# KiCad board main.kicad_pcb (continued)
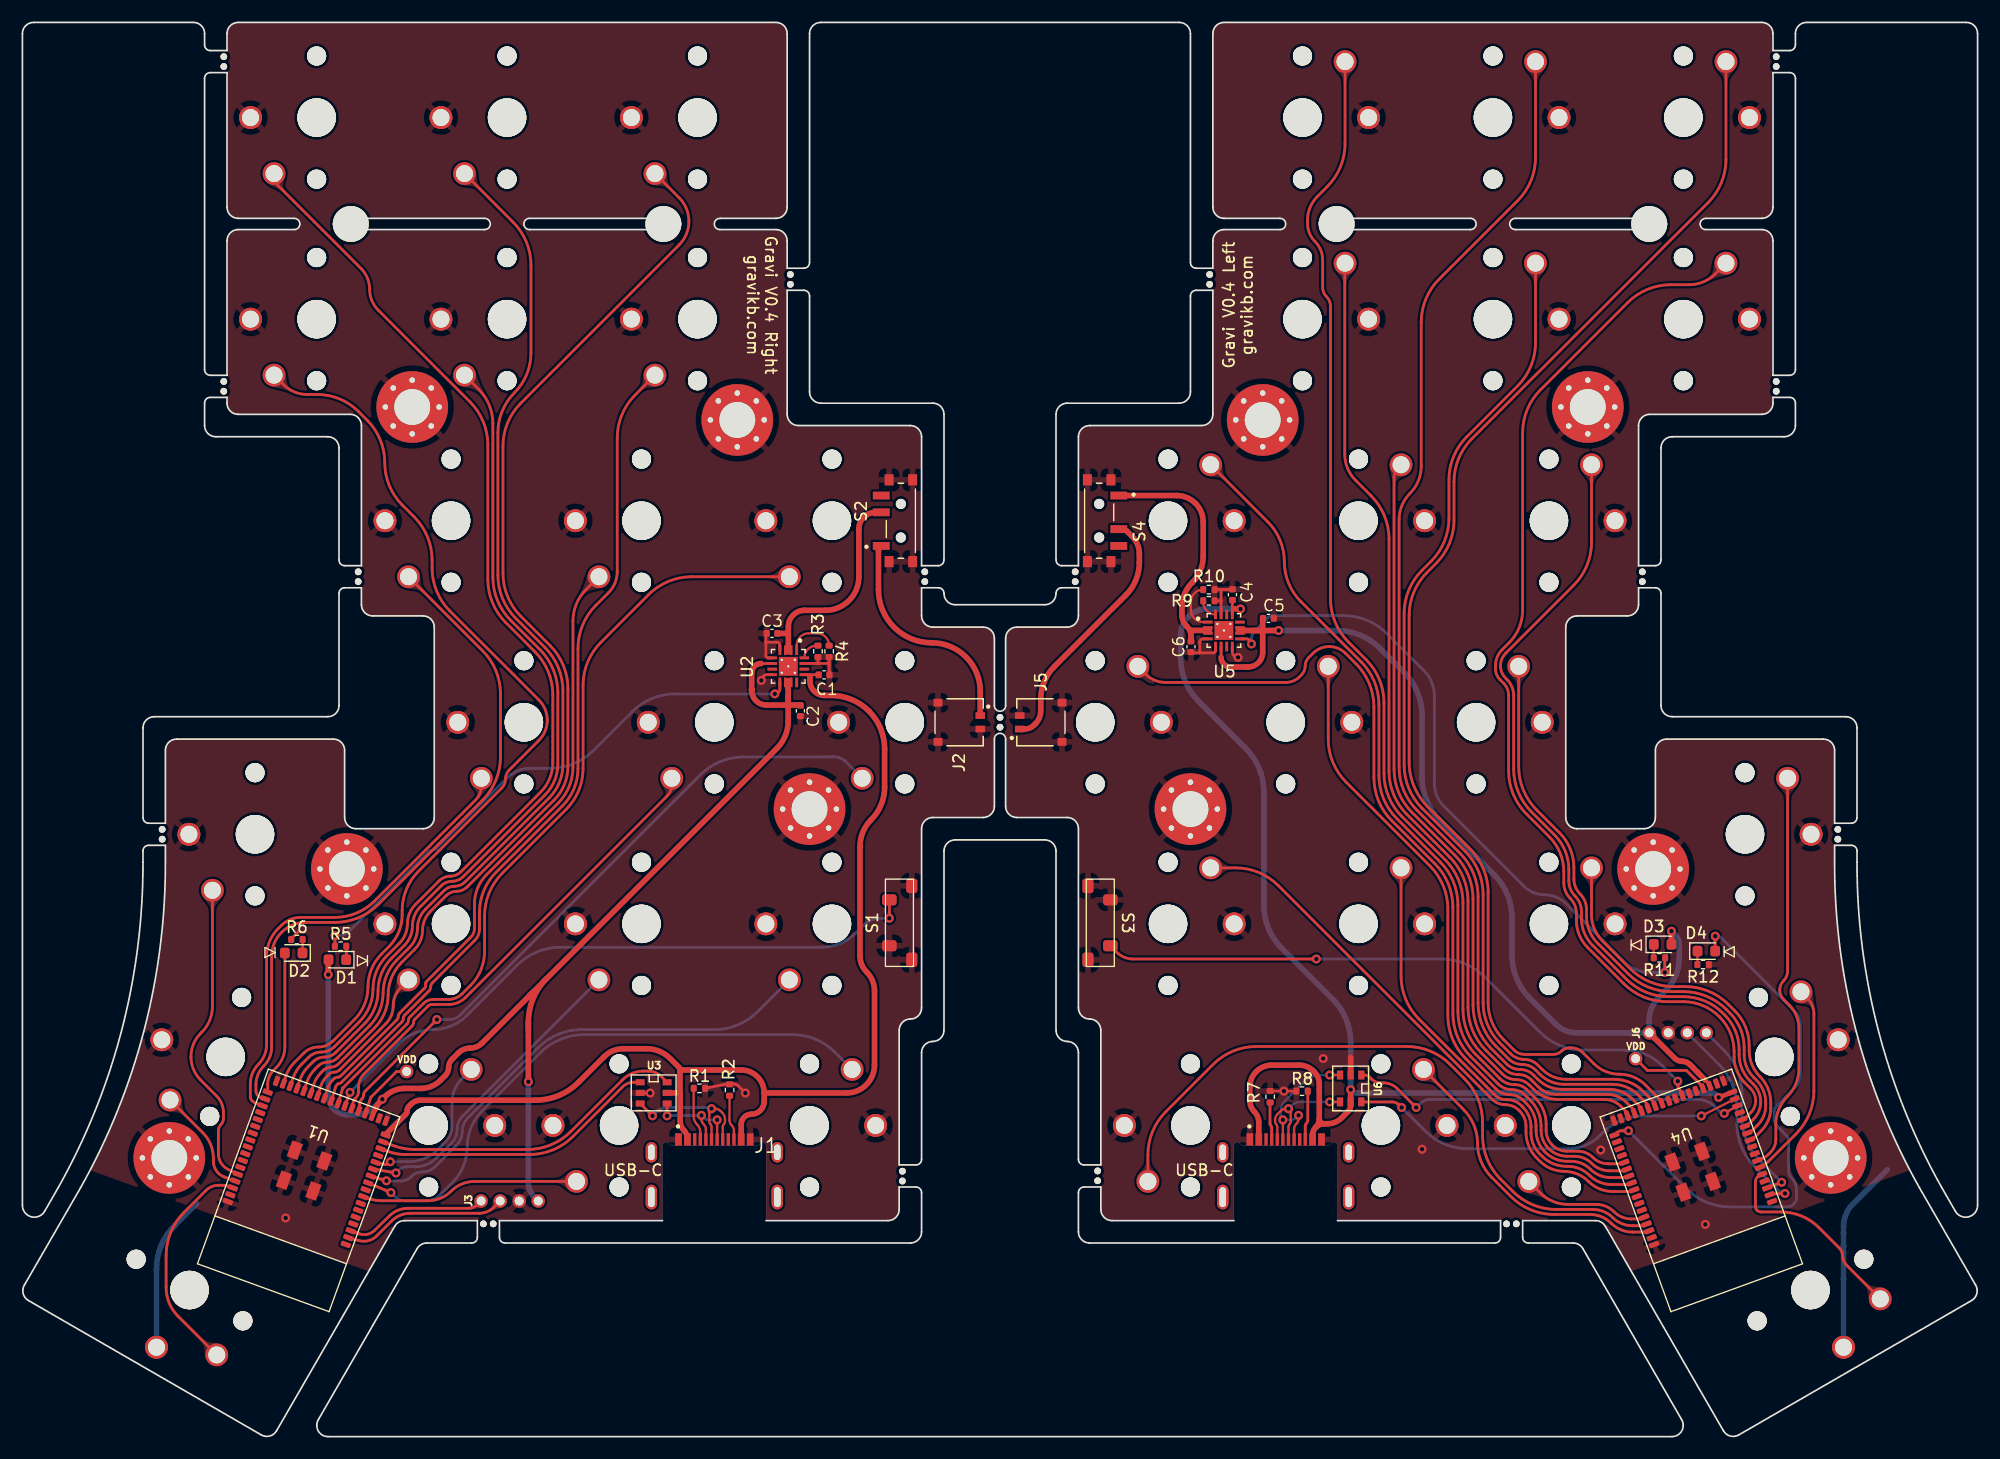
[diagram p0: board, top side]
## Routing (per net, layer and track width the routed paths; a pad name or vN(x,y) marks a point on that pad's centre or on a via; arc(x,y) is an arc through that point) (continued)
  Bottom w0.5: v1(151.41,30.29) 151.21,30.49 arc(150.99,30.64) 150.73,30.69 119.07,30.69 arc(118.88,30.73) 118.71,30.84 v1(118.56,30.99) 118.56,35.21 arc(118.15,37.29) 116.97,39.05 112.41,43.62 arc(111.23,45.38) 110.81,47.46 110.81,57.58 arc(110.4,59.67) 109.22,61.43 104.98,65.67 arc(103.8,67.43) 103.39,69.52 103.39,71.57 arc(103.57,72.46) 104.07,73.22 arc(104.84,73.73) 105.73,73.91 v1(108.74,73.91)
VDDH: length 193.3
  Top w0.25: 45.61,39.73 45.16,39.28 ; 27.32,42.59 27.31,42.57 arc(27.3,42.56) 27.3,42.54 ; 107,69.57 107,70.55 ; 65.95,69.04 66.93,69.04 ; 150.22,31.84 150.57,31.51 arc(150.61,31.45) 150.62,31.38 150.62,31.35 arc(150.61,31.32) 150.59,31.3 ; 31.44,29.14 U1.32
  Top w0.5: 110.7,71.98 108.54,71.98 ; 110.7,71.98 arc(110.71,71.98) 110.71,71.99 ; 110.7,71.98 arc(110.71,71.98) 110.71,71.98 ; C5.2 110.72,73.05 arc(110.71,73.03) 110.71,73.01 110.71,71.99 ; 46.77,40.88 41.01,35.13 arc(40.53,34.81) 39.96,34.69 arc(39.39,34.58) 38.91,34.26 38.35,33.69 arc(38.12,33.36) 38.05,32.97 arc(37.97,32.58) 37.74,32.24 37.32,31.82 arc(36.52,31.28) 35.57,31.09 34.12,31.09 arc(33.17,30.9) 32.37,30.37 v1(32.13,30.12) 32.03,30.03 arc(31.69,29.61) 31.44,29.14 ; 46.77,40.88 67.35,61.46 arc(68.1,62.58) 68.36,63.9 68.36,65.33 ; 46.77,40.88 arc(45.58,39.1) 45.16,37.01 v1(45.16,31.69) ; C2.2 69.43,65.31 arc(69.41,65.32) 69.38,65.33 68.36,65.33 ; v1(112.13,71.98) 110.71,71.98 ; 110.71,71.98 arc(110.71,71.98) 110.71,71.99 ; 110.71,71.98 arc(110.71,71.98) 110.71,71.98 ; 68.36,65.33 arc(68.36,65.33) 68.36,65.33 ; 68.36,65.33 arc(68.36,65.33) 68.36,65.33 ; v1(27.3,41.25) 27.3,42.54 ; 68.36,67.5 68.36,65.33 ; 145.21,36.06 147.48,33.8 arc(147.79,33.59) 148.16,33.51 arc(148.53,33.44) 148.85,33.23 149.06,33.01 arc(149.28,32.8) 149.49,32.58 149.59,32.47 arc(149.9,32.15) 150.22,31.84 ; v1(147.2,45.14) D3.2 ; 68.36,65.33 arc(68.36,65.33) 68.36,65.33 ; 68.36,65.33 arc(68.36,65.33) 68.36,65.33 ; 68.36,65.33 arc(68.35,65.33) 68.35,65.32 66.41,65.32 arc(65.48,65.71) 65.1,66.64 65.1,68.19 arc(65.35,68.79) 65.95,69.04 ; 107,69.57 arc(107.25,68.97) 107.85,68.72 109.4,68.72 arc(110.33,69.11) 110.71,70.03 110.71,71.98 arc(110.71,71.98) 110.71,71.98
  Bottom w0.5: 46.05,21.04 45.7,21.39 arc(45.3,21.98) 45.16,22.69 v1(45.16,31.69) ; v1(27.3,41.25) 27.3,30.46 arc(27.43,29.8) 27.8,29.25 arc(28.35,28.88) 29.01,28.75 29.78,28.75 arc(30.68,28.93) 31.44,29.44 v1(32.13,30.12) ; v1(112.13,71.98) 117.34,71.98 arc(119.42,71.57) 121.19,70.39 123.34,68.23 arc(124.52,66.47) 124.94,64.38 124.94,58.87 arc(125.35,56.78) 126.53,55.02 131.37,50.18 arc(132.55,48.42) 132.96,46.33 132.96,42.99 arc(133.38,40.91) 134.56,39.14 136.87,36.83 arc(137.72,36.26) 138.72,36.06 145.21,36.06 145.21,37.21 arc(145.42,38.27) 146.03,39.18 146.7,39.85 arc(147.59,41.18) 147.9,42.74 147.9,43.94 arc(147.81,44.4) 147.55,44.79 v1(147.2,45.14)
(no net): length 25.8
  Top w0.2: 149.51,43.34 R12.1 ; R6.1 25.01,43.21 arc(25.01,43.2) 25.01,43.19 D2.1 ; 145.61,43.94 R11.1 ; USB-C#2.A5 60.51,27.16 arc(60.43,27.56) 60.21,27.89 arc(59.99,28.22) 59.91,28.61 59.91,30.87 ; USB-C#2.B5 63.51,27.32 arc(63.46,27.58) 63.31,27.8 arc(63.16,28.02) 63.11,28.28 R2.2
  Top w0.25: 111.36,29.78 111.36,27.95 arc(111.38,27.86) 111.44,27.77 arc(111.49,27.69) 111.51,27.59 USB-C.A5 ; USB-C.B5 114.51,27.71 arc(114.54,27.86) 114.62,27.99 arc(114.71,28.11) 114.74,28.26 R8.1 ; 30.7,29.3 U1.31 31.1,30.3 33.4,32.6 VDD#2.1
CHG: length 110.4
  Top w0.2: 28.9,42.59 28.91,42.59 arc(28.91,42.6) 28.91,42.61
  Top w0.25: R5.2 27.9,43.79 arc(27.9,43.8) 27.9,43.8 v1(27.9,44.75) ; 28.94,43.81 28.92,43.8 arc(28.92,43.79) 28.91,43.77 28.91,42.61 arc(28.91,42.6) 28.91,42.59 28.9,42.59 ; 67.61,67.35 67.61,66.78 arc(67.48,66.46) v1(67.16,66.32) ; R11.2 146.62,42.74 arc(146.6,42.72) 146.6,42.7 v1(146.6,41.45) ; 108.68,71.24 109.26,71.24 arc(109.58,71.1) v1(109.71,70.78)
  Bottom w0.25: v1(146.6,41.45) 145.26,41.45 arc(144.03,41.7) 142.98,42.4 137.77,47.61 arc(136.9,48.19) 135.89,48.39 arc(134.87,48.59) 134.01,49.17 126.86,56.31 arc(126.25,57.23) 126.04,58.3 126.04,66.16 arc(125.8,67.36) 125.12,68.38 121.78,71.72 arc(120.02,72.9) 117.93,73.31 111.65,73.31 arc(111.38,73.26) 111.16,73.11 110.02,71.97 arc(109.79,71.63) 109.71,71.22 v1(109.71,70.78) ; v1(67.16,66.32) 58.28,66.32 arc(56.2,65.91) 54.43,64.73 50.98,61.28 arc(49.22,60.1) 47.14,59.69 45.4,59.69 arc(44.21,59.45) 43.2,58.78 36.95,52.52 arc(36.77,52.4) 36.56,52.36 36.51,52.36 arc(36.4,52.34) 36.3,52.28 29.08,45.06 arc(28.74,44.83) 28.34,44.75 v1(27.9,44.75)
D+: length 27
  Top w0.2: USB-C.B6 113.51,27.44 arc(113.56,27.7) 113.71,27.92 arc(113.86,28.14) 113.91,28.4 v1(113.91,28.69) ; 55.25,29.74 55.35,29.74 ; USB-C#2.A6 61.51,27.66 arc(61.49,27.79) 61.41,27.9 arc(61.34,28.01) 61.31,28.14 61.31,28.95 arc(61.34,29.08) 61.41,29.19 v1(61.51,29.29) 61.81,29.29 arc(62.09,29.23) 62.32,29.08 62.47,28.93 arc(62.65,28.66) 62.71,28.34 62.71,28.14 arc(62.69,28.01) 62.61,27.9 arc(62.54,27.79) 62.51,27.66 USB-C#2.B6 ; v1(112.51,28.29) USB-C.A6 ; v1(116.69,32.29) U6.3
  Top w0.25: v1(56.25,28.64) U3.3
  Bottom w0.2: v1(116.69,32.29) 115.85,32.29 arc(115.08,32.13) 114.42,31.7 112.7,29.98 arc(112.41,29.55) 112.31,29.04 112.31,28.63 arc(112.34,28.5) 112.41,28.39 v1(112.51,28.29) 113.23,28.29 arc(113.49,28.34) 113.71,28.49 v1(113.91,28.69)
  Bottom w0.25: v1(56.25,28.64) 56.62,29.01 arc(57.03,29.29) 57.52,29.39 61.34,29.39 arc(61.41,29.37) 61.46,29.34 v1(61.51,29.29) 61.39,29.41
D+ESD: length 61.4
  Top w0.2: v1(151.91,28.86) U4.37
  Top w0.25: 31.98,25.71 32.69,25.45 arc(33.41,25.26) 34.15,25.19 45.28,25.19 arc(47.37,25.61) 49.13,26.79 53.58,31.23 arc(54.03,31.54) 54.57,31.64 U3.1 ; U6.1 119.79,32.29 arc(120.04,32.24) 120.26,32.09 120.41,31.94 arc(120.8,31.68) 121.26,31.59 121.49,31.59 arc(122.16,31.45) 122.73,31.07 v1(124.41,29.39)
  Bottom w0.25: v1(124.41,29.39) 124.78,29.75 arc(125.18,30.02) 125.65,30.11 149.53,30.11 arc(150.34,29.95) 151.04,29.49 151.57,28.95 arc(151.67,28.89) 151.79,28.86 v1(151.91,28.86) 152.14,29.09
D-: length 21.4
  Top w0.2: USB-C.A7 113.01,27.66 arc(113.04,27.79) 113.11,27.9 arc(113.19,28.01) 113.21,28.14 113.21,28.95 arc(113.19,29.08) 113.11,29.19 v1(113.01,29.29) 112.77,29.29 arc(112.54,29.24) 112.35,29.11 112.02,28.78 arc(111.87,28.56) 111.81,28.29 111.81,28.14 arc(111.84,28.01) 111.91,27.9 arc(111.99,27.79) 112.01,27.66 USB-C.B7 ; v1(62.01,28.29) USB-C#2.A7 ; v1(116.69,29.89) U6.4 ; v1(60.61,28.69) 60.61,28.37 arc(60.67,28.11) 60.81,27.89 arc(60.96,27.67) 61.01,27.41 USB-C#2.B7
  Top w0.25: v1(57.55,28.64) U3.4
  Bottom w0.2: v1(113.01,29.29) 113.11,29.19 ; v1(113.01,29.29) 112.71,29.29 ; v1(113.01,29.29) 113.31,29.59 arc(113.64,29.81) 114.04,29.89 v1(116.69,29.89)
  Bottom w0.25: v1(62.01,28.29) 61.3,28.29 arc(61.04,28.34) 60.81,28.49 v1(60.61,28.69) 57.62,28.69 arc(57.59,28.68) 57.57,28.67 v1(57.55,28.64)
D-ESD: length 64.3
  Top w0.2: v1(149.86,28.64) U4.36
  Top w0.25: U6.6 122.26,29.89 arc(122.59,29.82) 122.86,29.64 v1(123.11,29.39) ; U3.6 57.05,32.14 arc(56.49,32.51) 55.84,32.64 55.45,32.64 arc(54.43,32.44) 53.57,31.86 48.94,27.24 arc(47.18,26.06) 45.1,25.64 35.03,25.64 arc(34.06,25.73) 33.12,25.98 32.2,26.32
  Bottom w0.25: v1(123.11,29.39) 125.21,27.29 arc(126.97,26.11) 129.06,25.7 137.99,25.7 arc(139.5,26) 140.78,26.86 141.09,27.17 arc(142.72,28.26) 144.64,28.64 v1(149.86,28.64)
K1: length 210.9
  Top w0.25: 25.74,30.64 25.99,31.4 arc(26.26,32) 26.67,32.52 26.87,32.72 arc(27.17,32.92) 27.54,32.99 arc(27.9,33.06) 28.2,33.27 31.43,36.5 arc(32.33,37.84) 32.65,39.43 arc(32.96,41.01) 33.86,42.36 35.01,43.51 arc(35.53,44.29) 35.71,45.2 arc(35.9,46.12) 36.42,46.89 37.83,48.31 arc(38.26,48.59) 38.76,48.69 arc(39.27,48.79) 39.69,49.08 47.46,56.84 arc(48.37,58.21) 48.69,59.83 48.69,66.8 arc(48.28,68.88) 47.1,70.65 44.49,73.26 arc(43.31,75.02) 42.9,77.1 42.9,88.44 arc(43.31,90.52) 44.49,92.29 58.62,106.42 arc(59.27,107.39) 59.5,108.52 arc(59.27,109.66) 58.62,110.63 SW1.1 ; SW22.1 118.06,115.47 arc(117.65,113.38) 116.47,111.62 115.59,110.74 arc(114.94,109.77) 114.71,108.62 114.71,108.34 arc(114.89,107.46) 115.39,106.71 arc(115.89,105.96) 116.06,105.08 116.06,102.63 arc(116.15,102.18) 116.41,101.79 arc(116.67,101.4) 116.76,100.94 116.76,74.81 arc(117.18,72.73) 118.36,70.97 119.94,69.38 arc(121.12,67.61) 121.54,65.53 121.54,59.22 arc(121.95,57.14) 123.13,55.38 126.99,51.51 arc(128.17,49.75) 128.59,47.67 128.59,38.16 arc(129,36.07) 130.18,34.31 132.1,32.39 arc(132.66,32.02) 133.31,31.89 arc(133.96,31.76) 134.52,31.39 134.9,31 arc(135.89,30.34) 137.04,30.11 141.19,30.11 arc(142,29.95) 142.68,29.5 143.2,28.97 arc(143.27,28.88) 143.29,28.76 U4.20
K2: length 165.4
  Top w0.25: SW2.1 54.69,93.01 arc(53.51,91.25) 53.1,89.17 53.1,77.23 arc(52.9,76.23) 52.33,75.38 51.19,74.23 arc(50.01,72.47) 49.59,70.39 49.59,59.66 arc(49.23,57.85) 48.21,56.33 42.28,50.39 arc(41.18,48.76) 40.8,46.83 40.8,45.33 arc(40.69,44.78) 40.38,44.31 36.59,40.53 arc(36.48,40.36) 36.44,40.17 arc(36.41,39.97) 36.3,39.81 34.12,37.64 arc(34.03,37.5) 34,37.33 arc(33.97,37.17) 33.87,37.03 28.45,31.61 arc(28.38,31.56) 28.29,31.54 arc(28.2,31.53) 28.13,31.48 28.1,31.44 arc(28.01,31.33) 27.95,31.21 U1.26 ; SW23.1 118.05,104.77 arc(118.04,104.76) 118.04,104.74 118.04,87.71 arc(118.29,86.47) 118.99,85.41 120.39,84.01 arc(121.57,82.24) 121.99,80.16 121.99,59.41 arc(122.4,57.33) 123.58,55.56 127.42,51.72 arc(128.62,49.93) 129.04,47.82 129.04,38.34 arc(129.45,36.26) 130.63,34.5 132.29,32.83 arc(132.84,32.46) 133.5,32.33 133.54,32.33 arc(134.15,32.21) 134.67,31.87 135.3,31.24 arc(136.05,30.74) 136.94,30.56 141.45,30.56 arc(142.39,30.38) 143.18,29.84 143.81,29.22 arc(143.88,29.11) 143.9,28.99 U4.21
K3: length 158
  Top w0.2: 105.4,74.64 105.4,74.52 arc(105.72,73.74) 106.5,73.42 ; 69.11,70.22 69.11,70.65 arc(69.43,71.42) 70.2,71.74 70.91,71.74 arc(71.69,71.41) 72.01,70.63 ; 71.01,70.63 70.89,70.63 arc(70.12,70.31) 69.8,69.54
  Top w0.25: SW24.1 111.17,81.68 arc(112.26,80.05) 112.64,78.12 arc(113.03,76.2) 114.12,74.57 119.49,69.19 arc(120.67,67.43) 121.09,65.34 121.09,59.04 arc(121.5,56.96) 122.68,55.19 126.54,51.33 arc(127.72,49.56) 128.14,47.48 128.14,37.97 arc(128.55,35.89) 129.73,34.12 131.9,31.95 arc(132.47,31.57) 133.15,31.44 133.2,31.44 arc(133.78,31.32) 134.28,30.99 135.06,30.2 arc(135.76,29.16) 136.01,27.92 136.01,27.36 arc(136.15,26.64) 136.56,26.03 arc(137.17,25.63) 137.88,25.49 138.84,25.49 arc(139.57,25.34) 140.19,24.92 arc(140.82,24.51) 141.55,24.36 142.78,24.36 arc(142.86,24.38) 142.93,24.43 U4.13 ; U1.27 28.59,31.13 arc(28.6,31.14) 28.61,31.14 arc(28.62,31.15) 28.63,31.15 34.32,36.85 arc(34.42,36.98) 34.45,37.15 arc(34.48,37.31) 34.57,37.45 35.82,38.69 arc(36.2,38.95) 36.66,39.04 38.04,39.04 arc(38.7,39.17) 39.26,39.55 40,40.29 arc(40.93,41.68) 41.25,43.31 41.25,46.47 arc(41.66,48.56) 42.84,50.32 48.54,56.02 arc(49.65,57.69) 50.05,59.65 50.05,67.08 arc(50.46,69.17) 51.64,70.93 55.9,75.19 arc(57.67,76.37) 59.75,76.79 SW3.1
K4: length 138.7
  Top w0.25: SW25.1 100.28,68.07 arc(101.08,67.54) 102.02,67.35 112.79,67.35 arc(113.45,67.48) 114,67.85 114.18,68.03 arc(114.42,68.38) 114.5,68.8 arc(114.58,69.22) 114.82,69.57 115.2,69.95 arc(115.86,70.39) 116.65,70.55 arc(117.44,70.39) 118.1,69.95 119.04,69.01 arc(120.22,67.24) 120.64,65.16 120.64,58.85 arc(121.05,56.77) 122.23,55 126.09,51.14 arc(127.27,49.38) 127.69,47.29 127.69,37.78 arc(128.1,35.7) 129.28,33.94 131.73,31.49 arc(132.29,31.12) 132.94,30.99 arc(133.59,30.86) 134.15,30.49 134.62,30.02 arc(135.32,28.97) 135.56,27.73 135.56,27.36 arc(135.74,26.47) 136.24,25.72 arc(136.99,25.21) 137.88,25.04 138.53,25.04 arc(139.38,24.87) 140.1,24.39 arc(140.81,23.91) 141.66,23.74 142.98,23.74 arc(143.07,23.76) 143.14,23.81 U4.12 ; v1(37,37.24) 36.99,37.24 arc(36.99,37.24) 36.99,37.24 30.6,30.85 arc(30.49,30.68) 30.45,30.49 arc(30.41,30.3) 30.3,30.14 30.27,30.11 arc(30.15,29.92) 30.1,29.69 30.1,29.23 arc(30.09,29.18) 30.06,29.13 U1.30
  Bottom w0.25: SW4.1 73.45,60.3 arc(73.01,60.59) 72.5,60.69 64.37,60.69 arc(62.29,60.28) 60.52,59.1 39.87,38.44 39.04,37.61 arc(38.63,37.34) 38.14,37.24 v1(37,37.24)
K5: length 95.3
  Top w0.25: U4.9 143.8,21.97 arc(143.72,21.91) 143.61,21.89 141.96,21.89 arc(140.78,22.12) 139.79,22.79 139.78,22.79 arc(138.79,23.46) 137.62,23.69 arc(136.46,23.92) 135.47,24.58 135.16,24.89 arc(134.46,25.94) 134.21,27.17 134.21,27.72 arc(134.07,28.45) 133.65,29.07 133.59,29.14 arc(133.03,29.51) 132.38,29.64 arc(131.73,29.77) 131.17,30.14 112.1,49.21 arc(110.35,50.38) 108.29,50.79 SW26.1 ; v1(32.5,22.84) 31.09,23.27
  Bottom w0.25: v1(32.5,22.84) 32.51,22.83 arc(32.52,22.82) 32.54,22.82 33.74,22.82 arc(34.28,22.93) 34.73,23.23 arc(35.19,23.54) 35.73,23.64 35.76,23.64 arc(36.32,23.76) 36.8,24.08 38.75,26.03 arc(39.12,26.58) 39.25,27.23 arc(39.38,27.89) 39.75,28.44 46.06,34.75 arc(47.83,35.93) 49.91,36.34 61.76,36.34 arc(63.85,36.76) 65.61,37.94 SW5.1
K6: length 113
  Top w0.25: SW27.1 100.46,25.16 arc(100.88,27.24) 102.06,29.01 106.29,33.24 arc(108.06,34.42) 110.14,34.84 123.58,34.84 arc(125.67,34.42) 127.43,33.24 128.74,31.93 arc(129.92,30.17) 130.34,28.08 130.34,26.85 arc(130.75,24.77) 131.93,23 133.05,21.88 arc(134.82,20.7) 136.9,20.29 140.19,20.29 arc(141.15,20.1) 141.95,19.56 arc(142.76,19.02) 143.71,18.83 144.72,18.83 arc(144.82,18.85) 144.91,18.91 U4.4 ; v1(32.9,21.79) 30.87,22.66
  Bottom w0.25: v1(32.9,21.79) 33.26,21.43 arc(33.67,21.16) 34.14,21.06 36.05,21.06 arc(36.71,21.2) 37.28,21.57 38.37,22.66 arc(39.35,24.14) 39.7,25.87 arc(40.05,27.61) 41.03,29.08 46.25,34.3 arc(48.01,35.48) 50.09,35.89 68.76,35.89 arc(70.79,35.49) 72.51,34.34 SW6.1
K7: length 207.3
  Top w0.25: SW28.1 135.06,114.22 arc(134.65,112.13) 133.47,110.37 126.46,103.36 arc(125.28,101.59) 124.86,99.51 124.86,86.64 arc(124.61,85.35) 123.87,84.25 arc(123.14,83.16) 122.89,81.86 122.89,59.78 arc(123.3,57.7) 124.48,55.94 128.34,52.07 arc(129.52,50.31) 129.94,48.23 129.94,38.72 arc(130.35,36.63) 131.53,34.87 132.66,33.73 arc(133.22,33.36) 133.87,33.23 arc(134.52,33.1) 135.08,32.73 135.46,32.35 arc(136.45,31.69) 137.6,31.46 141.95,31.46 arc(143.16,31.22) 144.19,30.53 145.02,29.71 arc(145.1,29.59) 145.12,29.45 U4.23 ; SW7.1 43.8,108.45 arc(44.98,106.68) 45.4,104.6 45.4,96.77 arc(45.01,94.85) 43.92,93.21 arc(42.83,91.58) 42.45,89.65 42.45,76.92 arc(42.86,74.84) 44.04,73.07 46.65,70.46 arc(47.83,68.69) 48.24,66.61 48.24,60 arc(47.92,58.4) 47.01,57.04 39.51,49.53 arc(39.08,49.24) 38.58,49.14 arc(38.07,49.04) 37.64,48.76 35.97,47.08 arc(35.45,46.3) 35.26,45.39 arc(35.08,44.47) 34.56,43.7 33.41,42.54 arc(32.51,41.2) 32.2,39.61 arc(31.88,38.03) 30.98,36.68 28.09,33.79 arc(27.7,33.53) 27.24,33.44 arc(26.78,33.35) 26.39,33.09 26.13,32.82 arc(25.67,32.25) 25.36,31.58 25.13,30.86
K8: length 168.7
  Top w0.25: SW29.1 135.06,97.68 arc(134.65,95.59) 133.47,93.83 128.93,89.29 arc(127.75,87.53) 127.34,85.44 127.34,82.02 arc(126.92,79.93) 125.74,78.17 124.93,77.35 arc(123.75,75.59) 123.33,73.51 123.33,59.97 arc(123.75,57.89) 124.93,56.12 128.79,52.26 arc(129.97,50.49) 130.38,48.41 130.38,38.74 arc(130.77,36.81) 131.87,35.17 132.85,34.18 arc(133.4,33.81) 134.06,33.68 arc(134.71,33.55) 135.26,33.18 135.65,32.8 arc(136.63,32.14) 137.79,31.91 142.07,31.91 arc(143.47,31.63) 144.66,30.84 145.65,29.85 arc(145.71,29.76) 145.73,29.65 U4.24 ; 24.51,31.08 24.75,31.79 arc(25.05,32.46) 25.51,33.04 25.94,33.47 arc(26.41,33.78) 26.96,33.89 arc(27.51,34) 27.98,34.31 30.53,36.87 arc(31.43,38.21) 31.75,39.8 arc(32.06,41.38) 32.96,42.73 34.1,43.87 arc(34.63,44.66) 34.82,45.6 arc(35,46.54) 35.53,47.33 37.39,49.19 arc(37.84,49.49) 38.37,49.59 arc(38.89,49.7) 39.34,50 46.65,57.31 arc(47.5,58.57) 47.79,60.07 47.79,66.42 arc(47.38,68.51) 46.2,70.27 43.59,72.89 arc(42.41,74.65) 41.99,76.73 41.99,90.46 arc(41.67,92.12) 40.73,93.52 SW8.1
K9: length 126.8
  Top w0.25: SW30.1 122.75,86.47 arc(122.52,86.13) 122.44,85.72 122.44,59.6 arc(122.85,57.51) 124.03,55.75 127.89,51.89 arc(129.07,50.12) 129.49,48.04 129.49,38.53 arc(129.9,36.45) 131.08,34.68 132.48,33.28 arc(133.03,32.91) 133.68,32.78 arc(134.34,32.65) 134.89,32.28 135.28,31.9 arc(136.26,31.24) 137.42,31.01 141.65,31.01 arc(142.75,30.79) 143.68,30.17 144.42,29.43 arc(144.49,29.33) 144.51,29.21 U4.22 ; SW9.1 50.3,75.63 arc(49.44,74.34) 49.14,72.83 49.14,59.78 arc(48.8,58.04) 47.81,56.56 42.52,51.27 41.43,50.18 arc(40.63,48.98) 40.35,47.57 40.35,45.36 arc(40.27,44.96) 40.04,44.61 36.06,40.63 arc(36.01,40.56) 36,40.48 36,40.27 arc(35.97,40.15) 35.91,40.05 33.67,37.82 arc(33.58,37.68) 33.55,37.52 arc(33.52,37.36) 33.42,37.22 28.42,32.22 arc(28.28,32.12) 28.12,32.09 arc(27.96,32.06) 27.82,31.97 27.67,31.82 arc(27.43,31.52) 27.28,31.17 U1.25
K10: length 101.8
  Top w0.25: SW31.1 116.56,62.29 arc(116.98,60.21) 118.16,58.44 125.64,50.96 arc(126.82,49.19) 127.24,47.11 127.24,37.6 arc(127.65,35.52) 128.83,33.75 131.55,31.04 arc(132.1,30.67) 132.75,30.54 arc(133.41,30.41) 133.96,30.04 134.29,29.71 arc(134.9,28.8) 135.11,27.72 135.11,27.36 arc(135.32,26.3) 135.92,25.4 arc(136.82,24.8) 137.88,24.59 138.24,24.59 arc(139.18,24.4) 139.98,23.86 arc(140.79,23.33) 141.73,23.14 143.22,23.14 arc(143.3,23.15) 143.37,23.2 U4.11 ; SW10.1 57.96,58.2 arc(57.86,57.66) 57.55,57.21 40.17,39.82 39.55,39.21 arc(38.87,38.75) 38.07,38.59 36.55,38.59 arc(36.37,38.56) 36.21,38.45 35.03,37.27 arc(34.94,37.13) 34.9,36.97 arc(34.87,36.8) 34.78,36.67 30.5,32.39 arc(30.13,31.83) 30,31.18 30,30.83 arc(29.94,30.5) 29.75,30.22 29.7,30.17 arc(29.55,29.95) 29.5,29.69 29.5,29.48 arc(29.49,29.41) 29.45,29.36 U1.29
K11: length 67.8
  Top w0.25: SW32.1 123.06,41.14 arc(123.48,39.06) 124.66,37.29 131.45,30.49 arc(131.9,30.19) 132.43,30.09 132.54,30.09 arc(133.22,29.95) 133.79,29.57 133.93,29.43 arc(134.47,28.62) 134.66,27.67 134.66,27.11 arc(134.86,26.11) 135.43,25.26 135.66,25.03 arc(136.64,24.37) 137.81,24.14 137.92,24.14 arc(138.99,23.93) 139.89,23.32 arc(140.79,22.72) 141.85,22.51 143.41,22.51 arc(143.51,22.53) 143.59,22.58 U4.10 ; v1(33.35,23.54) 31.29,23.9
  Bottom w0.25: SW11.1 39.3,28.63 arc(38.93,28.07) 38.8,27.42 arc(38.67,26.77) 38.3,26.21 36.99,24.9 arc(36.09,24.3) 35.04,24.09 34.28,24.09 arc(33.92,24.02) 33.62,23.82 v1(33.35,23.54)
K12: length 47
  Top w0.25: SW33.1 128.63,29.22 arc(129.56,27.83) 129.89,26.19 arc(130.21,24.55) 131.14,23.16 132.87,21.43 arc(134.63,20.25) 136.72,19.84 139.92,19.84 arc(140.95,19.63) 141.82,19.05 arc(142.7,18.47) 143.73,18.26 145.01,18.26 arc(145.09,18.28) 145.16,18.32 U4.3 ; SW12.1 40.36,22.79 arc(39.23,22.56) 38.28,21.92 arc(37.32,21.29) 36.19,21.06 32.04,21.06 arc(31.48,21.11) 30.95,21.25 30.42,21.43
K13: length 218.4
  Top w0.25: U4.25 146.34,29.84 arc(146.33,29.92) 146.28,29.99 144.87,31.41 arc(143.81,32.11) 142.56,32.36 arc(141.32,32.61) 140.26,33.31 139.29,34.29 arc(138.82,34.6) 138.26,34.71 138.07,34.71 arc(137.69,34.64) 137.37,34.42 arc(137.05,34.21) 136.67,34.13 134.06,34.13 arc(133.58,34.23) 133.16,34.5 132.18,35.48 arc(131.19,36.98) 130.83,38.74 130.83,48.6 arc(130.42,50.68) 129.24,52.45 125.44,56.24 arc(124.22,58.08) 123.78,60.25 123.78,73.32 arc(124.2,75.4) 125.38,77.17 126.19,77.98 arc(127.37,79.75) 127.79,81.83 127.79,85.26 arc(128.2,87.34) 129.38,89.11 150.47,110.19 arc(151.65,111.96) 152.06,114.04 SW34.1 ; 23.91,31.28 24.15,31.99 arc(24.45,32.66) 24.91,33.24 25.53,33.86 arc(26.06,34.22) 26.69,34.34 arc(27.32,34.47) 27.85,34.82 30.08,37.05 arc(30.98,38.4) 31.3,39.98 arc(31.61,41.57) 32.51,42.91 33.65,44.05 arc(34.18,44.85) 34.37,45.79 arc(34.55,46.72) 35.08,47.52 37.2,49.64 arc(37.65,49.94) 38.18,50.04 arc(38.71,50.15) 39.15,50.45 46.25,57.54 arc(47.06,58.76) 47.35,60.19 47.35,66.24 arc(46.93,68.32) 45.75,70.09 43.14,72.7 arc(41.96,74.46) 41.55,76.55 41.55,88.56 arc(41.13,90.64) 39.95,92.4 31.77,100.59 arc(31.2,101.44) 31,102.45 arc(30.79,103.46) 30.22,104.31 22.71,111.82 arc(22.53,112.1) 22.46,112.43 SW13.1
K14: length 182.9
  Top w0.25: U4.39 153.59,28.32 arc(153.66,28.33) 153.72,28.37 154.27,28.92 arc(154.6,29.41) 154.71,30 arc(154.6,30.58) 154.27,31.08 153.75,31.59 arc(153.04,32.66) 152.79,33.92 152.79,34.37 arc(152.46,36.04) 151.51,37.46 151.46,37.51 arc(149.99,38.49) 148.25,38.84 146.81,38.84 arc(144.73,39.25) 142.96,40.43 139.72,43.68 arc(138.97,44.79) 138.71,46.1 138.71,46.72 arc(138.57,47.45) 138.15,48.08 arc(137.73,48.7) 137.59,49.44 137.59,50.45 arc(137.26,52.13) 136.31,53.55 134.26,55.6 arc(133.08,57.36) 132.66,59.44 132.66,66.18 arc(132.54,66.78) 132.21,67.28 131.88,67.61 arc(131.59,68.04) 131.49,68.56 131.49,68.84 arc(131.64,69.61) 132.08,70.26 132.7,70.89 arc(133.6,72.23) 133.91,73.81 133.91,89.63 arc(134.33,91.72) 135.51,93.48 143.29,101.27 arc(145.06,102.45) 147.14,102.86 148.78,102.86 arc(150.03,103.11) 151.1,103.82 SW35.1 ; SW14.1 23.33,93.92 arc(24.28,93.29) 25.41,93.06 26.33,93.06 arc(28.31,92.67) 29.99,91.55 30.77,90.76 arc(31.94,89.02) 32.35,86.97 arc(32.75,84.92) 33.92,83.18 34.98,82.12 arc(36.15,80.36) 36.57,78.27 36.57,77.57 arc(36.98,75.49) 38.16,73.72 46.1,65.78 arc(46.66,64.95) 46.85,63.98 arc(46.66,63) 46.1,62.18 43.46,59.53 arc(43.21,59.16) 43.12,58.72 arc(43.04,58.29) 42.79,57.92 35.34,50.47 arc(34.27,48.87) 33.9,46.98 33.9,46.58 arc(33.6,45.06) 32.73,43.77 32.06,43.1 arc(31.16,41.76) 30.85,40.17 arc(30.53,38.59) 29.63,37.24 27.72,35.33 arc(27.12,34.93) 26.42,34.79 arc(25.72,34.65) 25.13,34.25 24.26,33.39 arc(23.8,32.81) 23.5,32.14 23.26,31.43
K15: length 135.8
  Top w0.25: SW36.1 140.06,79.87 arc(139.65,77.78) 138.47,76.02 132.4,69.95 arc(132.06,69.44) 131.94,68.84 arc(132.06,68.24) 132.4,67.73 132.53,67.6 arc(132.96,66.95) 133.11,66.18 133.11,59.63 arc(133.53,57.55) 134.71,55.78 136.76,53.73 arc(137.7,52.31) 138.04,50.64 138.04,49.62 arc(138.18,48.89) 138.6,48.26 arc(139.02,47.64) 139.16,46.91 139.16,46.28 arc(139.42,44.97) 140.17,43.86 143.19,40.84 arc(144.91,39.69) 146.93,39.29 148.25,39.29 arc(150.16,38.91) 151.78,37.83 151.96,37.65 arc(152.91,36.23) 153.24,34.55 153.24,34.1 arc(153.49,32.84) 154.2,31.78 154.52,31.46 arc(155,30.75) 155.16,29.9 155.16,29.89 arc(155,29.06) 154.52,28.35 153.93,27.76 arc(153.88,27.72) 153.81,27.71 U4.40 ; SW15.1 41.08,70.17 arc(42.26,68.4) 42.67,66.32 42.67,60.69 arc(42.26,58.61) 41.08,56.84 31.75,47.51 arc(29.98,46.33) 27.9,45.92 25.28,45.92 arc(24.12,45.69) 23.13,45.03 arc(22.48,44.05) 22.25,42.89 22.25,34.78 arc(22.06,33.87) 21.55,33.09 21.53,33.08 arc(21.02,32.32) 20.85,31.42 20.85,30.88 arc(20.96,30.52) 21.26,30.3 21.67,30.15
K16: length 94.4
  Top w0.25: U4.41 154.07,27.1 arc(154.16,27.12) 154.25,27.17 154.89,27.82 arc(155.43,28.62) 155.61,29.56 155.61,29.83 arc(155.4,30.91) 154.78,31.83 154.53,32.08 arc(153.91,33.02) 153.69,34.12 153.69,34.74 arc(153.35,36.41) 152.41,37.83 152.09,38.14 arc(150.33,39.32) 148.25,39.74 147.18,39.74 arc(145.1,40.15) 143.33,41.33 140.62,44.05 arc(139.87,45.16) 139.61,46.47 139.61,47.09 arc(139.47,47.83) 139.05,48.45 arc(138.63,49.07) 138.49,49.81 138.49,50.83 arc(138.15,52.5) 137.21,53.92 135.16,55.97 arc(133.98,57.73) 133.56,59.82 SW37.1 ; SW16.1 40.96,58.07 arc(40.83,57.41) 40.46,56.86 31.42,47.82 arc(29.81,46.74) 27.92,46.37 24.85,46.37 arc(23.91,46.18) 23.11,45.65 22.82,45.35 arc(22.06,44.22) 21.8,42.89 21.8,35 arc(21.61,34.06) 21.07,33.25 arc(20.53,32.45) 20.35,31.5 20.35,30.35 arc(20.38,30.16) 20.5,29.99 arc(20.66,29.86) 20.84,29.77 21.45,29.54
K17: length 48.1
  Top w0.25: U4.42 154.29,26.49 arc(154.38,26.51) 154.46,26.56 155.22,27.32 arc(155.85,28.25) 156.06,29.35 156.06,29.83 arc(155.81,31.08) 155.1,32.15 arc(154.39,33.22) 154.14,34.47 154.14,34.92 arc(153.8,36.6) 152.86,38.02 152.28,38.59 arc(150.52,39.77) 148.43,40.19 147.37,40.19 arc(145.28,40.6) 143.52,41.78 141.03,44.27 arc(140.31,45.34) 140.06,46.61 SW38.1 ; U1.24 26.63,31.29 arc(26.85,31.76) 27.17,32.17 27.34,32.34 arc(27.57,32.49) 27.83,32.54 arc(28.09,32.59) 28.31,32.74 32.43,36.86 arc(32.93,37.6) 33.1,38.48 arc(33.27,39.35) 33.77,40.1 SW17.1 arc(34.24,40.94) 33.98,40.99
K18: length 25.5
  Top w0.25: v1(32.85,24.54) 32.7,24.4 arc(32.58,24.32) 32.45,24.29 arc(32.3,24.3) 32.15,24.33 31.53,24.49 ; SW39.1 135.49,21.76 arc(136.62,21) 137.96,20.74 140.49,20.74 arc(141.34,20.57) 142.06,20.09 arc(142.78,19.61) 143.63,19.44 144.49,19.44 arc(144.6,19.46) 144.69,19.52 U4.5
  Bottom w0.25: v1(32.85,24.54) 34.42,24.54 arc(35.88,24.83) 37.11,25.66 37.75,26.3 arc(38.2,26.96) 38.35,27.75 38.35,29.87 arc(38.57,30.98) 39.21,31.93 SW18.1
K19: length 64.1
  Top w0.25: 19.23,23.43 18.36,23.86 arc(17.73,24.44) 17.49,25.26 17.49,27.32 arc(17.55,27.61) 17.72,27.86 arc(17.89,28.11) 17.94,28.41 17.94,28.95 arc(17.79,29.74) 17.34,30.42 15.91,31.85 arc(15.27,32.8) 15.05,33.92 arc(15.27,35.05) 15.91,36 16,36.1 arc(16.71,37.16) 16.96,38.42 SW19.1 ; SW40.1 157.56,41.56 arc(157.47,41.1) 157.21,40.71 157.21,40.71 arc(156.95,40.33) 156.86,39.87 arc(156.95,39.42) 157.21,39.04 157.72,38.53 arc(158.36,37.58) 158.58,36.46 158.58,32.86 arc(158.31,31.51) 157.55,30.37 arc(156.78,29.23) 156.51,27.88 156.51,26.53 arc(156.39,25.91) 156.04,25.39 155.85,25.2 arc(155.55,24.96) 155.21,24.79 U4.45
K20: length 27.7
  Top w0.25: 19.01,22.82 18.03,23.18 arc(17.31,23.73) 17.05,24.59 17.05,24.87 arc(16.8,26.09) 16.11,27.13 SW20.1 ; SW41.1 159.34,39.14 arc(159.76,38.5) 159.91,37.75 159.91,30.88 arc(159.5,28.8) 158.32,27.03 155.88,24.59 arc(155.63,24.38) 155.36,24.2 U4.46
K21: length 38.3
  Top w0.25: 18.78,22.21 18.46,22.33 arc(18.14,22.41) 17.81,22.44 17.5,22.44 arc(16.89,22.32) 16.39,21.98 14.42,20.02 arc(13.24,18.25) 12.83,16.17 12.83,13.32 arc(13.1,11.93) 13.89,10.76 SW21.1 ; SW42.1 162.8,15.33 arc(162.57,15.68) 162.49,16.09 arc(162.41,16.5) 162.17,16.85 160.37,18.66 arc(158.81,19.7) 156.97,20.06 155.2,20.06 arc(155,20.1) 154.84,20.21 arc(154.73,20.38) 154.69,20.57 154.69,22.72 arc(154.74,22.99) 154.9,23.22 155.04,23.37 arc(155.12,23.42) 155.2,23.43 U4.47
RST: length 120.2
  Top w0.25: v1(115.5,42.65) 99.13,42.65 arc(98.36,42.8) 97.7,43.24 S3.2 ; v1(147.76,31.74) 147.76,31.42 arc(147.82,31.15) 147.97,30.92 148.07,30.82 arc(148.15,30.7) 148.18,30.57 U4.28 ; 150.01,31.09 150.01,31.23 148.54,32.7 145.05,32.7 144,33.75 ; v1(29.25,30.74) 28.79,29.53 ; S1.2 77.39,46.3 arc(77.39,46.29) 77.38,46.29 v1(77.38,46.29)
  Bottom w0.25: v1(147.76,31.74) 146.37,33.13 arc(144.84,34.15) 143.02,34.51 139.32,34.51 arc(137.23,34.93) 135.47,36.11 130.52,41.06 arc(128.75,42.24) 126.67,42.65 v1(115.5,42.65) ; v1(77.38,46.29) 76.55,46.29 arc(75.78,46.13) 75.13,45.7 74.42,44.99 arc(72.99,44.03) 71.3,43.7 48.01,43.7 arc(45.93,43.28) 44.16,42.1 39.66,37.6 arc(38.27,36.67) 36.62,36.34 arc(34.98,36.02) 33.59,35.08 v1(29.25,30.74)
STATUS: length 61.8
  Top w0.25: U4.17 142.29,27.12 arc(142.5,27.26) 142.75,27.31 v1(143.36,27.31) ; v1(151.11,44.69) 151.11,44.68 arc(151.1,44.67) 151.1,44.67 D4.2 ; 21.9,30.76 21.9,31.48 arc(22.03,32.14) 22.4,32.7 22.66,32.96 arc(23.23,33.8) 23.42,34.8 D2.2
  Bottom w0.25: v1(151.11,44.69) 151.3,44.69 arc(151.47,44.65) 151.62,44.55 158.24,37.94 arc(158.59,37.41) 158.71,36.79 158.71,32.37 arc(158.58,31.72) 158.21,31.16 156.57,29.52 arc(156.42,29.29) 156.36,29.02 156.36,28.39 arc(156.44,28.02) 156.65,27.7 157.45,26.9 arc(157.61,26.66) 157.66,26.39 157.66,23.66 arc(157.71,23.41) 157.86,23.19 arc(158.23,22.63) 158.36,21.97 158.36,21.37 arc(158.3,21.04) 158.11,20.76 arc(157.84,20.58) 157.51,20.51 152.42,20.51 arc(150.33,20.93) 148.57,22.11 v1(143.36,27.31)
SWCLK: length 33.9
  Top w0.25: 29.35,17.74 29.33,17.76 arc(29.32,17.77) 29.3,17.77 29.2,17.77 arc(29.19,17.76) 29.2,17.74 30.02,17.51 arc(30.88,17.5) 31.63,17.93 32.95,19.25 arc(33.72,19.76) 34.62,19.94 40.77,19.94 arc(41.49,20.09) 42.1,20.49 42.65,21.04 ; v1(157.34,21.71) 156.04,21.68
  Bottom w0.25: 148.61,36.06 151.44,33.23 arc(152.62,31.47) 153.04,29.38 153.04,27.94 arc(153.45,25.86) 154.63,24.09 156.9,21.83 arc(157.03,21.74) 157.18,21.71 v1(157.34,21.71)
SWIO: length 29.8
  Top w0.25: 29.31,18.38 30.08,18.11 arc(30.8,18.07) 31.43,18.41 32.76,19.71 arc(33.53,20.21) 34.44,20.39 39.83,20.39 arc(40.26,20.48) 40.62,20.72 40.95,21.04 ; v1(157.04,22.71) U4.49
  Bottom w0.25: 150.31,36.06 151.9,34.48 arc(153.07,32.72) 153.49,30.64 153.49,28.52 arc(153.9,26.43) 155.08,24.67 v1(157.04,22.71)

## Copper pours and planes (outline as drawn; the poured copper is in the pictures)
GND on Top, Bottom: 81.81,54.78 80.76,53.69 80.76,36.79 79.66,36.79 78.76,35.84 78.76,18.79 34.46,18.79 33.46,18.19 31.36,14.59 5.76,23.89 7.16,26.64 7.81,28.24 12.1,44.19 12.26,44.79 12.26,62.79 29.26,62.79 29.26,55.99 30.46,54.79 35.11,54.79 36.26,55.99 36.26,71.69 35.16,72.79 29.76,72.79 29.76,89.69 28.66,90.79 17.76,90.79 17.76,126.79 68.76,126.79 68.76,91.89 69.91,90.79 80.76,90.79 80.77,73.84 81.86,72.79 86.82,72.79 86.82,54.79
GND on Top, Bottom: 92.71,54.78 93.76,53.69 93.76,36.79 94.86,36.79 95.76,35.84 95.76,18.79 140.06,18.79 141.06,18.19 143.16,14.59 168.76,23.89 167.36,26.64 166.71,28.24 162.42,44.19 162.26,44.79 162.26,62.79 145.26,62.79 145.26,55.99 144.06,54.79 139.41,54.79 138.26,55.99 138.26,71.69 139.36,72.79 144.76,72.79 144.76,89.69 145.86,90.79 156.76,90.79 156.76,126.79 105.76,126.79 105.76,91.89 104.61,90.79 93.76,90.79 93.75,73.84 92.66,72.79 87.7,72.79 87.7,54.79
GND on Bottom: 162.31,10.01 162.3,9.77 162.27,9.58 162.23,9.41 162.17,9.27 162.1,9.14 162.02,9.02 161.93,8.9 161.84,8.76 161.74,8.61 161.64,8.42 162.56,7.47 163.47,8.42 163.38,8.61 163.28,8.76 163.19,8.9 163.1,9.02 163.02,9.14 162.95,9.27 162.89,9.41 162.85,9.58 162.82,9.77 162.81,10.01
GND on Bottom: 11.72,10.01 11.71,9.77 11.68,9.58 11.63,9.41 11.58,9.27 11.51,9.14 11.43,9.02 11.34,8.9 11.25,8.76 11.15,8.61 11.05,8.42 11.97,7.47 12.88,8.42 12.78,8.61 12.69,8.76 12.59,8.9 12.51,9.02 12.43,9.14 12.36,9.27 12.3,9.41 12.25,9.58 12.23,9.77 12.22,10.01
GND on Bottom: 162.31,10.01 162.3,9.77 162.27,9.58 162.23,9.41 162.17,9.27 162.1,9.14 162.02,9.02 161.93,8.9 161.84,8.76 161.74,8.61 161.64,8.42 162.56,7.47 163.47,8.42 163.38,8.61 163.28,8.76 163.19,8.9 163.1,9.02 163.02,9.14 162.95,9.27 162.89,9.41 162.85,9.58 162.82,9.77 162.81,10.01
GND on Bottom: 11.72,10.01 11.71,9.77 11.68,9.58 11.63,9.41 11.58,9.27 11.51,9.14 11.43,9.02 11.34,8.9 11.25,8.76 11.15,8.61 11.05,8.42 11.97,7.47 12.88,8.42 12.78,8.61 12.69,8.76 12.59,8.9 12.51,9.02 12.43,9.14 12.36,9.27 12.3,9.41 12.25,9.58 12.23,9.77 12.22,10.01
